# Altium PCB PCB_drone.PcbDoc (part 1 of 2) (continued)
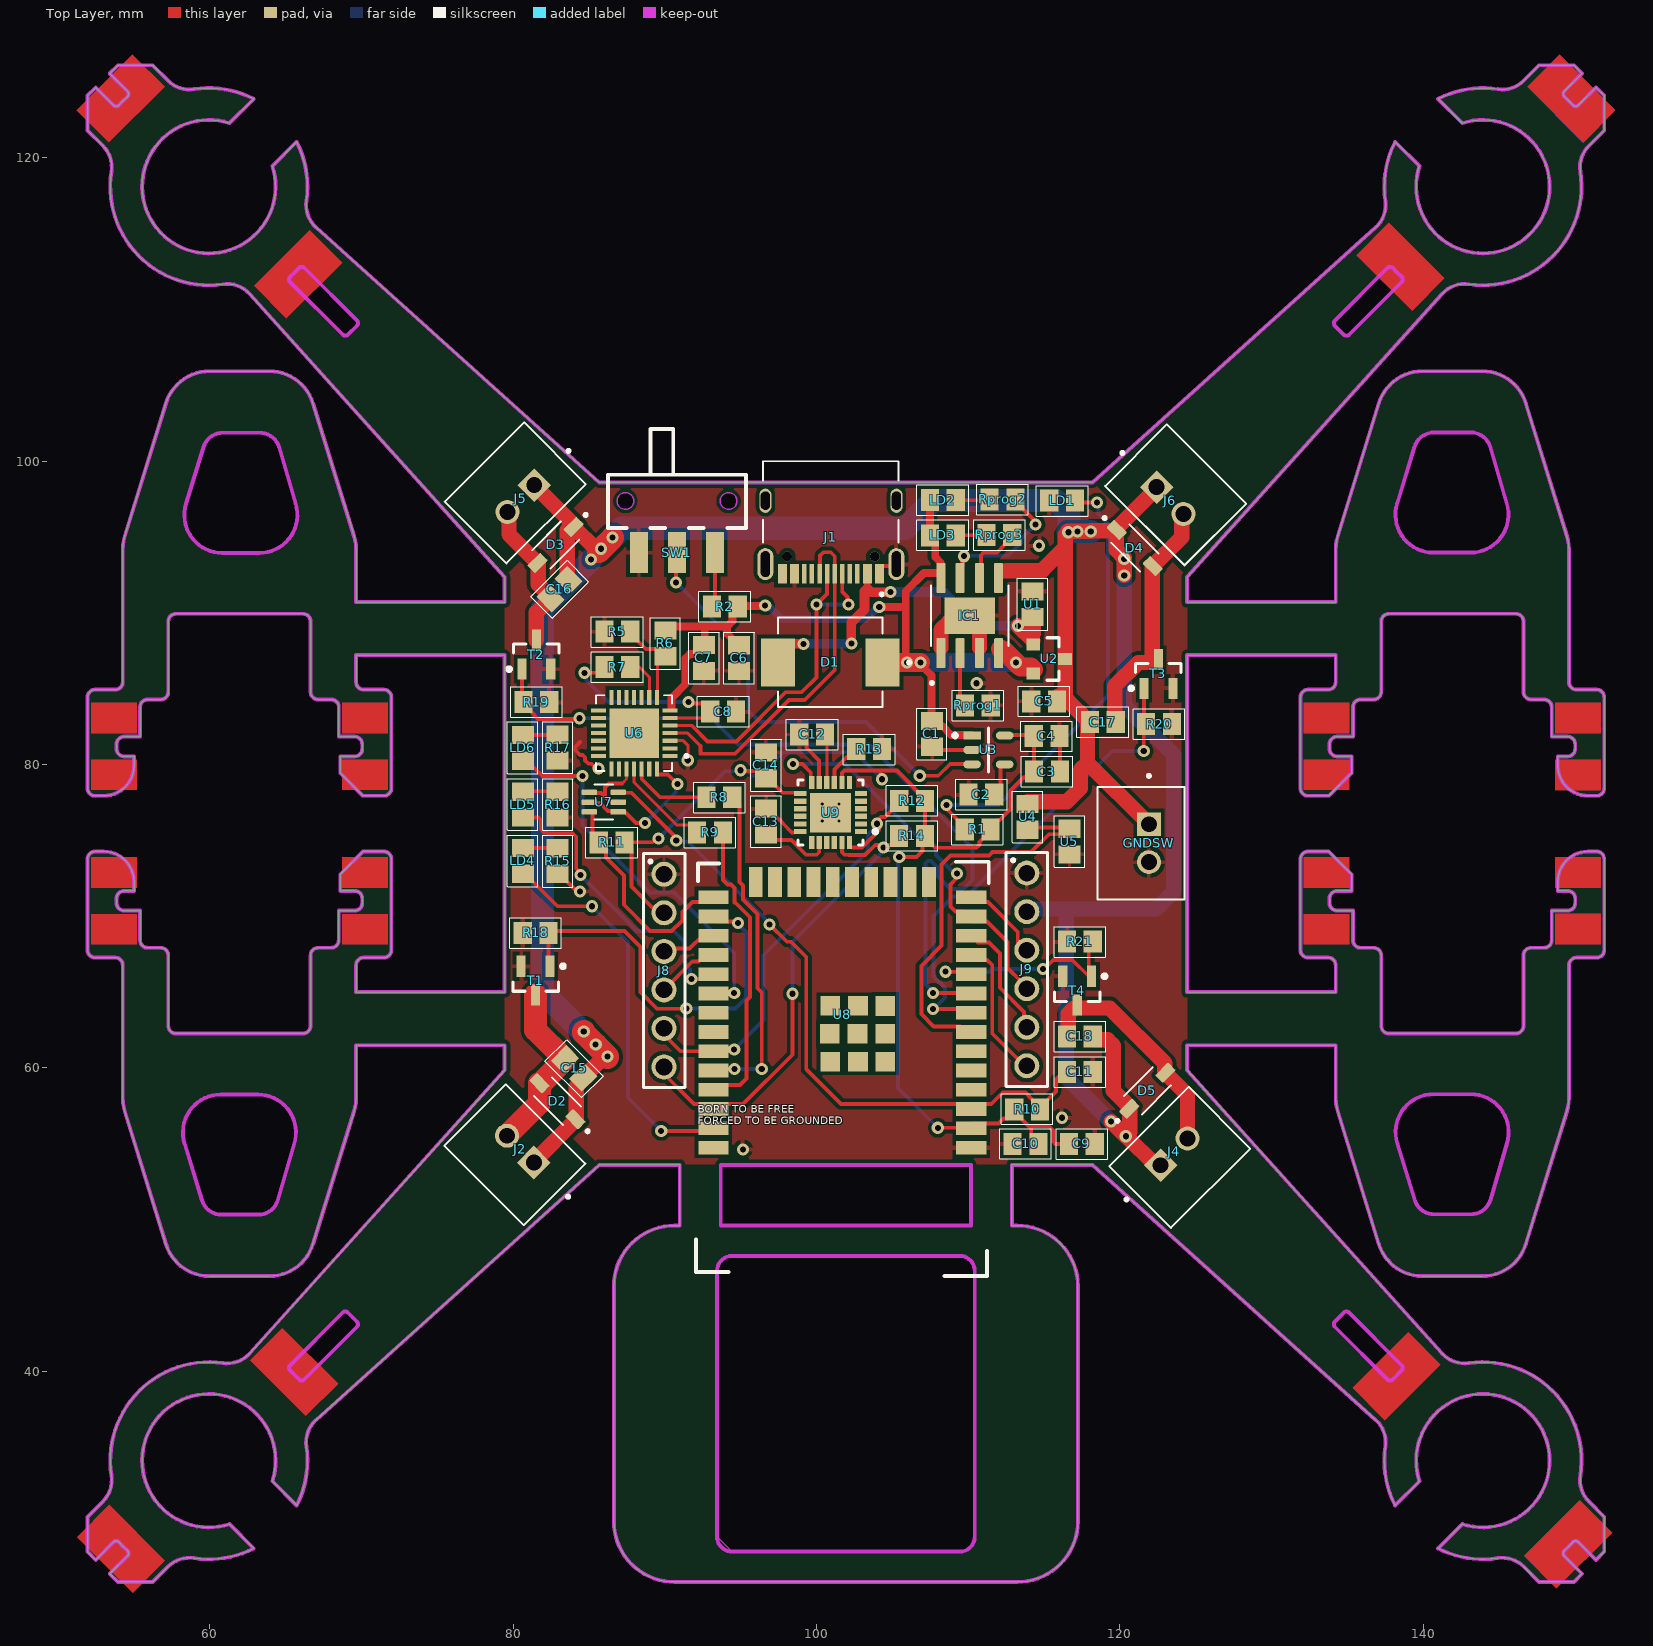
[diagram p0: Top Layer view]
## Footprints (in the part's own frame and the unit in brackets; to place one, negate y for a bottom-side part, rotate by r counter-clockwise, add the part's x,y. Pads: shape width x height; smd on the part's side, far side on the other; paste and mask are expansions set on the pad) (continued)
  rect 3.25x3.25 smd paste-0.597 mask+0.102: 29(0,0)
  silkscreen extent -3.55,-2.5 2.5,2.5, body extent -2.5,-2.5 2.5,2.5, height 0.8
res0805ph [mm] "Chip Resistor, 2-Leads, Body 2.00x1.25mm, IPC Medium Density"
  rect 1.2x1.45 smd: 1(-0.85,0) 2(0.85,0)
  silkscreen extent -1.7,-1.02 1.7,0.99, body extent -1.1,-0.72 1.1,0.72, height 0.6
SHENZHEN-CHUANGQIN-TECHNOLOGY_CQ-USB-C16PSMT01 [mm]
  rect 0.6x1.3 smd: A1(-3.2,0) A4(-2.4,0) A12(3.2,0) B4(2.4,0)
  rect 0.3x1.3 smd: A5(-1.25,0) A6(-0.25,0) A7(0.25,0) A8(1.25,0) B5(1.75,0) B6(0.75,0) B7(-0.75,0) B8(-1.75,0)
  oval 1.05x2.1 hole 0.6 slot 1.7 at 90 deg: S1(-4.32,-0.64) S2(4.32,-0.64)
  oval 0.8x1.6 hole 0.6 slot 1.2 at 90 deg: S3(-4.32,-4.82) S4(4.32,-4.82)
  round 0.65 hole 0.65 unplated: ""(-2.89,-1.14) ""(2.89,-1.14)
  silkscreen extent -4.47,-7.42 4.47,1.45
SOD3715X135N [mm]
  rrect18% 1.21x0.73 smd paste+0 mask+0.102: 1(-1.68,0) 2(1.68,0)
  silkscreen extent -2.9,-0.85 1.35,0.85
SOP127P600X175-9N [mm]
  rrect25% 1.97x0.6 smd: 1(-2.475,1.905) 2(-2.475,0.635) 3(-2.475,-0.635) 4(-2.475,-1.905) 5(2.475,-1.905) 6(2.475,-0.635) 7(2.475,0.635) 8(2.475,1.905)
  rect 2.413x3.302 smd paste-3: 9(0,0)
  silkscreen extent -4.54,-2.55 2,2.6, body extent -3,-2.45 3,2.45, height 1.75
SOT23-3 [mm]
  rect 0.9x0.8 smd: 1(1,-0.95) 2(1,0.95) 3(-1.1,0)
  silkscreen extent -0.7,-1.4 0.1,1.4, body extent -1.4,-1.45 1.4,1.45, height 1.25
SOT65P210X110-6N [mm]
  rrect25% 1x0.36 smd paste+0 mask+0.102: 1(-0.955,0.65) 2(-0.955,0) 3(-0.955,-0.65) 4(0.955,-0.65) 5(0.955,0) 6(0.955,0.65)
  silkscreen extent -0.62,-1.15 0.63,1.15
SW-SMD_K3-1280S-K1 [mm]
  rect 2.7x1.2 smd: 1(0,2.5) 2(0,0) 3(0,-2.5)
  Keep-Out Layer board cut-out: 3.956,3.4 3.902,3.161 3.749,2.97 3.529,2.864 3.284,2.864 3.063,2.97 2.911,3.161 2.856,3.4 2.856,3.4 2.911,3.639 3.063,3.83 3.284,3.936 3.529,3.936 3.749,3.83 3.902,3.639 3.956,3.4
  Keep-Out Layer board cut-out: 3.956,-3.4 3.902,-3.639 3.749,-3.83 3.529,-3.936 3.284,-3.936 3.063,-3.83 2.911,-3.639 2.856,-3.4 2.856,-3.4 2.911,-3.161 3.063,-2.97 3.284,-2.864 3.529,-2.864 3.749,-2.97 3.902,-3.161 3.956,-3.4
  Keep-Out Layer circle w0.025: c3.406,3.4 r0.55
  Keep-Out Layer circle w0.025: c3.406,-3.4 r0.55
  Keep-Out Layer region: 3.956,3.4 3.902,3.161 3.749,2.97 3.529,2.864 3.284,2.864 3.063,2.97 2.911,3.161 2.856,3.4 2.856,3.4 2.911,3.639 3.063,3.83 3.284,3.936 3.529,3.936 3.749,3.83 3.902,3.639 3.956,3.4
  Keep-Out Layer region: 3.956,-3.4 3.902,-3.639 3.749,-3.83 3.529,-3.936 3.284,-3.936 3.063,-3.83 2.911,-3.639 2.856,-3.4 2.856,-3.4 2.911,-3.161 3.063,-2.97 3.284,-2.864 3.529,-2.864 3.749,-2.97 3.902,-3.161 3.956,-3.4
  silkscreen extent 1.63,-4.55 8.15,4.55

## Part data
C1 C2 C6 C7 C8 C9 C10 C11 C12 C13 C14 C15 C16 C17 C18: library part "CER Capacitor_1", Capacitance=10uF, Case Code (Imperial)=0805, Case Code (Metric)=2012, Dielectric=X6S, Max Operating Temperature=105°C, Min Operating Temperature=-55°C, Tolerance=20%, Voltage Rating=35V, Case/Package=0805, Length=0.079inch, Mount="Surface Mount", Packaging="Tape and Reel", Thickness=0.057inch, Voltage Rating (DC)=35V, Width=0.049inch
C3: library part Elco+tantaal_1, "47uF 6.3V  ±20% 1.1Ω 2917  SMD Tantalum Capacitor", Capacitance=47uF, Case/Package=2917, ESR (Equivalent Series Resistance)=1.1R, Max Operating Temperature=125°C, Min Operating Temperature=-55°C, Package Quantity=500, Tolerance=20%, Voltage Rating=6.3V, Depth=4.3mm, Dissipation Factor=6%, Features="General Purpose", Height - Seated (Max)=0.122inch, Lead Free="Lead Free", Length=0.287inch, Mount="Surface Mount", Packaging="Tape and Reel", Polarity=Polar, RoHS Compliant=Yes, Series=TAJ, Voltage Rating (DC)=6.3V, Width=0.169inch
C4 C5: library part "CER Capacitor_1", Case Code (Imperial)=0805, Case Code (Metric)=2012, Dielectric=X6S, Max Operating Temperature=105°C, Min Operating Temperature=-55°C, Tolerance=20%, Voltage Rating=35V, Capacitance=10uF, Case/Package=0805, Length=0.079inch, Mount="Surface Mount", Packaging="Tape and Reel", Thickness=0.057inch, Voltage Rating (DC)=35V, Width=0.049inch
D2 D3 D4 D5: library part 1N4148W, "Diode", Case Code (Imperial)=0603, Case Code (Metric)=1608, Color=Green, Forward Current=20mA, Forward Voltage=3.3V, Lens Color=Colorless, Max Operating Temperature=85°C, Min Operating Temperature=-40°C, Package Quantity=1, Case/Package=0603, Dominant Wavelength=525nm, Height=0.75mm, Illumination Color=Green, Lead Free="Lead Free", Length=1.6mm, Lens Transparency=Clear, Luminous Intensity=350mcd, Mount="Surface Mount", Packaging="Tape and Reel", Test Current=20mA, Viewing Angle=120°, Width=0.8mm
GNDSW: library part "Connector 1x2_1", "CONN HEADER VERT 2POS 2MM", Housing Color=Black, Max Current Rating=3.9A, Max Operating Temperature=125°C, Max Voltage Rating (AC)=500V, Min Operating Temperature=-55°C, Contact Material=Bronze, Contact Plating=Gold, Depth=1.97mm, Gender=Male, Housing Material=Polymer, Lead Free="Lead Free", Length=4mm, Number of Contacts=2, Number of Rows=1, Orientation=Straight, Packaging=Bulk, Pitch=2mm, Radiation Hardening=No, REACH SVHC="No SVHC", RoHS Compliant=Yes, Termination=Solder
J2 J4 J5 J6: library part "Connector 1x2", "CONN HEADER VERT 2POS 2MM", Housing Color=Black, Max Current Rating=3.9A, Max Operating Temperature=125°C, Max Voltage Rating (AC)=500V, Min Operating Temperature=-55°C, Contact Material=Bronze, Contact Plating=Gold, Depth=1.97mm, Gender=Male, Housing Material=Polymer, Lead Free="Lead Free", Length=4mm, Number of Contacts=2, Number of Rows=1, Orientation=Straight, Packaging=Bulk, Pitch=2mm, Radiation Hardening=No, REACH SVHC="No SVHC", RoHS Compliant=Yes, Termination=Solder
J8 J9: library part "Connector 1x6_1", "SQ Post Socket, Through-hole, Right Angle, -55 to 105 degC, 2.54mm Pitch, 6-Pin, Female, RoHS", Manufacturer=Samtec, Temperature Range="-55 to 105 degC", ComponentLink1Description="Manufacturer URL", ComponentLink1URL=http://www.samtec.com, ComponentLink2Description=Datasheet, ComponentLink2URL=http://www.samtec.com/documents/webfiles/pdf/SSW_TH.PDF, ComponentLink3Description="Package Specification", ComponentLink3URL=http://www.samtec.com/documents/webfiles/cpdf/SSW-1XX-XX-XXX-X-XX-XXX-XX-MKT.pdf, DatasheetVersion=F-214, Mounting Technology=Through-hole, Orientation="Right Angle", PackageDescription="Assembly, Socket Strip .016 X .031 Tail", PackageReference=SSW-106-02-X-S-RA, PackageVersion="CA, 6/1987", PartNumber=SSW-106-02-T-S-RA, Pitch="2.54 mm", RoHS=True
LD1 LD2 LD3: library part LED_1, "LED GREEN CLEAR CHIP SMD", Case Code (Imperial)=0603, Case Code (Metric)=1608, Color=Green, Forward Current=20mA, Forward Voltage=3.3V, Lens Color=Colorless, Max Operating Temperature=85°C, Min Operating Temperature=-40°C, Package Quantity=1, Case/Package=0603, Dominant Wavelength=525nm, Height=0.75mm, Illumination Color=Green, Lead Free="Lead Free", Length=1.6mm, Lens Transparency=Clear, Luminous Intensity=350mcd, Mount="Surface Mount", Packaging="Tape and Reel", Test Current=20mA, Viewing Angle=120°, Width=0.8mm
LD4 LD5 LD6: library part LED, "LED GREEN CLEAR CHIP SMD", Case Code (Imperial)=0603, Case Code (Metric)=1608, Color=Green, Forward Current=20mA, Forward Voltage=3.3V, Lens Color=Colorless, Max Operating Temperature=85°C, Min Operating Temperature=-40°C, Package Quantity=1, Case/Package=0603, Dominant Wavelength=525nm, Height=0.75mm, Illumination Color=Green, Lead Free="Lead Free", Length=1.6mm, Lens Transparency=Clear, Luminous Intensity=350mcd, Mount="Surface Mount", Packaging="Tape and Reel", Test Current=20mA, Viewing Angle=120°, Width=0.8mm
R1 R2 Rprog1 Rprog2 Rprog3 U1 U4 U5: library part Weerstand_1, "RES SMD 5.9K OHM 1% 1/4W 1206", Manufacturer=Yageo, Manufacturer Part Number=AC1206FR-075K9L, Package=AC1206, Power Rating=0.25W, Resistance=5.9KΩ, Temperature="-55°C to +155°C", Temperature Range High=+155°C, Temperature Range Low=-55°C, Tolerance=0.01, Voltage Rating=200V, Automotive=Yes, Automotive Grade="Grade 0", Category=Res, ComponentLink2Description=Datasheet, ComponentLink2URL=http://www.yageo.com/NewPortal/yageodocoutput?fileName=/pdf/R-Chip/PYu-AC_51_RoHS_L_6.pdf, Composition="Thick Film", Device Class L1="Passive Components", Device Class L2=Resistors, Device Class L3="Chip SMD Resistors", Digikey Description="RES SMD 5.9K OHM 1% 1/4W 1206", Footprint Url=http://www.yageo.com/exep/pages/download/literatures/PYu-R_Mount_10.pdf, Height=0.65mm, Ipc Land Pattern Name=RESC310160X55, Lead Free=Yes, Mouser Description="Thick Film Resistors - SMD 1/4W 5.9ohm 1% AEC-Q200", Octopart=https://octopart.com/ac1206fr-075k9l-yageo-30511161, RoHS=TRUE, Series=AC
R5 R6 R7 R8 R9 R10 R11 R12 R13 R14 R15 R16 R17 R18 R19 R20 R21: library part Weerstand, "RES SMD 5.9K OHM 1% 1/4W 1206", Manufacturer=Yageo, Manufacturer Part Number=AC1206FR-075K9L, Package=AC1206, Power Rating=0.25W, Resistance=5.9KΩ, Temperature="-55°C to +155°C", Temperature Range High=+155°C, Temperature Range Low=-55°C, Tolerance=0.01, Voltage Rating=200V, Automotive=Yes, Automotive Grade="Grade 0", Category=Res, ComponentLink2Description=Datasheet, ComponentLink2URL=http://www.yageo.com/NewPortal/yageodocoutput?fileName=/pdf/R-Chip/PYu-AC_51_RoHS_L_6.pdf, Composition="Thick Film", Device Class L1="Passive Components", Device Class L2=Resistors, Device Class L3="Chip SMD Resistors", Digikey Description="RES SMD 5.9K OHM 1% 1/4W 1206", Footprint Url=http://www.yageo.com/exep/pages/download/literatures/PYu-R_Mount_10.pdf, Height=0.65mm, Ipc Land Pattern Name=RESC310160X55, Lead Free=Yes, Mouser Description="Thick Film Resistors - SMD 1/4W 5.9ohm 1% AEC-Q200", Octopart=https://octopart.com/ac1206fr-075k9l-yageo-30511161, RoHS=TRUE, Series=AC
SW1: library part Switch
T1 T2 T3 T4: library part SI2302DS-T1
U2: library part Transistor

## Via types
v1: diameter 0.8, hole 0.4, Top Layer to Bottom Layer, tented both sides, 68 vias
v2: diameter 0.5, hole 0.2, Top Layer to Bottom Layer, 4 vias
v3: diameter 0.8, hole 0.4, Top Layer to Bottom Layer, 2 vias

## Nets (pads, with @x,y where several pads share a name; then routed paths per layer and width w, separated by ;. In a path a pad name is that pad's centre, name@x,y a point inside that pad or via, vN(x,y) a via of type N, cw(c..) or ccw(c..) an arc to the next point about the centre after c; other vN are vias at no path point)
+3.3: C3.2 C4.1 C9.1 C10.1 C14.1 J8.2 R1.2 R10.2 R11.2 R12.1 R14.1 U3.5 U8.2 U9.8 U9.13 | length 89.2
  Top Layer w0.254: R11.2@87.427,75.082 87.625,74.884 89.19,74.884 89.388,75.082 v1@89.473,75.082 ; R11.2@87.808,74.418 87.808,71.958 J8.2@89.535,70.231 ; v1@89.45,75.059 v1@89.473,75.082 ; v1@89.462,75.009 89.536,75.082 v1@89.473,75.082 ; v1@89.524,75.133 v1@89.473,75.082 ; v1(94.996,79.629) 95.043,79.582 96.199,79.582 C14.1@96.672,79.109 ; C14.1@96.469,79.307 96.6,79.307 97.758,78.149 U9.13@99.202,78.149 ; U9.8@101.683,78.818 101.683,79.457 101.85,79.624 102.35,79.624 102.965,79.624 104.135,79.624 ; v1(104.312,79.04) 104.208,79.144 104.208,79.552 104.135,79.624 ; v1(105.461,73.905) 106.594,73.905 106.985,74.295 106.985,75.136 R14.1@107.149,75.3 107.155,75.306 R12.1@107.155,77.611 107.155,77.736 106.436,78.455 106.436,78.494 105.306,79.624 104.135,79.624 ; R14.1@107.149,75.175 107.622,74.702 107.8,74.524 110.563,74.524 110.754,74.714 110.754,74.895 111.473,75.614 111.473,75.864 111.946,76.337 112.071,76.337 112.801,77.067 112.801,78.303 113.655,79.158 113.739,79.158 C3.2@114.212,79.631 ; v1(108.001,56.058) 109.938,56.058 109.973,56.023 110.296,56.346 112.004,56.346 112.338,56.68 112.567,56.68 113.02,57.132 113.02,57.173 113.513,56.68 113.513,56.641 113.982,56.172 ; U3.5@112.387,81.952 114.238,81.952 114.246,81.96 114.345,82.059 C3.2@114.345,79.646 ; C10.1@114.636,54.992 114.163,55.465 114.163,55.991 113.982,56.172 ; C9.1@116.65,54.991 115.765,54.991 115.617,55.14 115.617,55.875 115.32,56.172 113.982,56.172
  Bottom Layer w0.254: v1(89.575,75.133) 94.012,79.57 94.937,79.57 v1(94.996,79.629) 95.1,79.525 95.502,79.525 95.759,79.267 96.261,79.267 97.81,80.816 102.535,80.816 v1(104.312,79.04) ; v1(105.461,73.905) 105.37,73.814 105.37,58.689 v1(108.001,56.058)
+5: D1.A J1.A4 U1.2 U2.1 | length 23.8
  Top Layer w0.45: 103.353,91.625 J1.A4@103.353,92.251
  Top Layer w0.635: D1.A@97.454,86.741 97.454,87.153 98.261,87.96 v1(99.158,87.96) ; v1(102.303,87.986) 102.303,89.374 103.169,90.24 103.169,91.44 103.353,91.625 103.616,91.362 104.847,91.362 v1(104.872,91.386)
  Top Layer w1: v1(113.284,89.154) U2.1@114.264,88.174 ; 114.3,88.641 U1.2@114.3,89.764
  Bottom Layer w0.635: v1@99.111,87.96 99.123,87.973 102.29,87.973 v1(102.303,87.986) ; v1(104.872,91.386) 108.384,91.386 110.615,89.154 v1(113.284,89.154)
+BATT: C5.1 C15.2 C16.2 C17.2 C18.2 D2.1 D3.1 D4.1 D5.1 GNDSW.1 IC1.5 J2.1 J4.1 J5.1 J6.1 J9.2 U2.3 U4.1 | length 195.2
  Top Layer w0.5: IC1.5@112.014,92.289 IC1.5@112.014,92.305 112.014,92.558 IC1.5@112.222,92.766
  Top Layer w1.016: J2.1@81.367,53.767 81.367,53.819 84.119,56.571 D2.1@84.119,56.622 84.151,56.655 84.151,58.765 84.589,59.203 C15.2@84.589,59.333 ; J5.1@81.392,98.43 83.959,95.862 83.571,95.474 83.571,92.256 C16.2@83.659,92.168 ; D3.1@83.992,95.676 85.385,94.283 85.753,94.283 v1(85.801,94.234) ; C15.2@84.624,59.368 85.961,60.705 v1@86.234,60.705 ; IC1.5@112.222,92.766 112.491,92.766 112.513,92.788 114.879,92.788 116.332,94.242 ; U4.1@113.919,77.558 116.522,77.558 117.412,78.449 117.412,79.665 117.87,80.123 ; C5.1@115.862,84.455 115.93,84.523 116.4,84.523 116.4,95.119 v1(116.605,95.324) ; 116.561,84.238 117.87,82.929 117.87,80.123 ; v1@116.571,95.377 v1(117.221,95.377) ; v1@117.225,95.381 118.08,95.381 v1(118.085,95.377) ; v1@118.085,95.381 118.138,95.434 D4.1@119.628,95.434 ; C18.2@118.22,62.077 118.22,61.952 118.312,61.86 119.204,61.86 119.582,61.482 119.582,58.494 120.63,57.445 D5.1@120.631,57.308 120.663,57.276 120.663,55.766 v1@120.421,55.524 ; v1(119.431,56.464) 120.371,55.524 v1@120.421,55.524 ; v1(120.294,92.481) v1(120.294,93.574) 120.294,93.642 119.766,94.171 119.766,95.434 D4.1@119.798,95.467 119.798,95.567 122.428,98.197 J6.1@122.428,98.298 ; v1(120.396,55.499) v1@120.421,55.524 ; GNDSW.1@121.92,76.073 117.87,80.123 ; J4.1@122.697,53.589 122.356,53.589 v1@120.421,55.524
  Top Layer w1.524: v1(84.658,62.408) 84.658,62.332 v1(85.446,61.544) v1(86.234,60.756) v1@86.234,60.705 ; v1@85.643,94.05 v1(86.563,94.971)
  Bottom Layer w1.016: J9.2@113.538,70.485 116.459,70.485 ; v1(119.431,56.464) 119.405,56.464 116.459,59.411 116.459,70.485 ; v1(120.294,92.481) 120.294,83.914 123.552,80.656 123.552,71.628 122.409,70.485 116.459,70.485
  Bottom Layer w1.524: v1@84.595,62.344 81.94,64.999 81.94,90.322 v1(85.141,93.523) ; v1@85.827,94.234 v1(86.563,94.971) 87.18,95.587 105.86,95.587 107.701,97.428 115.776,97.428 116.656,96.548 116.656,95.405 v1@116.684,95.377 ; v1(116.605,95.324) 116.63,95.324 v1@116.684,95.377 ; v1(118.085,95.377) v1(117.221,95.377) v1@116.684,95.377
DTR: U6.28 U7.2 U7.4 | length 9.7
  Top Layer w0.254: U7.2@85.024,77.531 85.077,77.478 85.726,77.478 86.258,76.947 86.934,76.947 87.309,76.947 88.103,76.152 88.694,76.152 v1(88.697,76.149) ; U6.28@89.478,79.718 89.486,79.71 89.486,79.35 90.195,79.35 v1(90.83,78.715)
  Bottom Layer w0.254: v1(88.697,76.149) 90.726,78.178 90.726,78.61 v1(90.83,78.715)
EN: C11.1 R10.1 U7.6 U8.3 | length 44.8
  Top Layer w0.245: U7.6@86.934,78.181 86.972,78.143 87.801,78.143 90.648,75.296 90.648,75.112 v1(90.754,75.006) ; v1(96.901,69.469) 98.038,68.332 98.305,68.332 99.336,67.301 99.336,59.91 101.625,57.621 109.973,57.621 110.137,57.457 110.3,57.621 111.526,57.621 112.284,58.379 113.796,58.379 114.017,58.158 114.017,58.126 R10.1@114.74,57.403 ; R10.1@114.74,57.278 R10.1@114.74,57.403 ; C11.1@116.266,59.741 115.789,59.263 115.789,58.451 R10.1@114.74,57.403
  Bottom Layer w0.245: v1(90.754,75.006) 90.836,74.925 91.522,74.925 96.901,69.545 v1(96.901,69.469)
GND: C1.2 C2.2 C3.1 C4.2 C5.2 C6.1 C7.1 C8.1 C9.2 C10.2 C11.2 C12.1 C13.2 C14.2 GNDSW.2 IC1.1 IC1.3 IC1.9 J1.A1 J1.B4 J1.S1 J8.1 J9.1 LD1.1 R5.1 R13.2 R15.1 R16.1 R17.1 R18.1 R19.1 R20.1 R21.1 Rprog1.2 SW1.1 T1.2 T2.2 T3.2 T4.2 U1.1 U3.2 U5.2 U6.3 U8.1 U9.1 U9.11 U9.18 | length 25.1
  Top Layer w0.2: U6.3@90.338,81.578 91.204,81.578 ; 91.211,81.585 91.516,81.28 v1(91.516,80.289)
  Top Layer w0.254: R15.1@82.931,72.785 83.056,72.785 84.102,71.739 84.306,71.739 v1(84.411,71.635) ; 84.404,81.483 84.097,81.176 84.097,80.965 84.417,80.645 84.587,80.645 84.742,80.49 84.742,80.285 84.965,80.062 85.17,80.062 85.476,79.756 v1(85.623,79.756) ; C13.2@96.672,77.101 96.797,77.101 97.516,76.382 97.555,76.382 97.778,76.159 97.778,76.134 98.375,75.537 98.501,75.537 ; C12.1@98.87,82.347 99.343,81.874 99.343,81.115 100.175,80.283 U9.11@100.175,78.818 ; J1.A1@104.153,92.583 104.153,92.933 104.326,93.106 105.156,93.106 J1.S1@105.273,93.223 ; C1.2@107.614,81.176 107.82,80.97 U3.2@110.262,80.97 ; C10.2@112.89,54.942 112.89,54.947 C10.2@112.936,54.992 ; C4.2@116.021,81.884 116.05,81.855 C3.1@116.05,79.548
  Top Layer w1: IC1.1@108.204,87.685 108.204,88.9 IC1.9@108.757,89.453 ; IC1.9@110.109,90.16 110.744,89.525 IC1.3@110.744,87.685
  other v1: 95.148,54.635 116.18,56.718 110.566,85.369 114.681,94.437
IO0: R11.1 U7.3 U8.25 | length 14.6
  Top Layer w0.254: U7.3@85.024,76.881 85.177,76.881 85.23,76.828 R11.1@85.23,74.93 ; R11.1@85.651,74.879 86.124,74.406 86.124,73.872 87.3,72.696 87.3,70.761 89.035,69.025 90.451,69.025 91.158,69.731 91.158,70.277 91.231,70.35 91.821,70.94 92.65,70.94 U8.25@92.973,71.263
LDO_ENABLE: SW1.2 U3.3 | length 29.3
  Top Layer w0.254: v1(90.751,92.001) 90.751,93.926 SW1.2@90.805,93.98 ; v1(106.813,79.265) 108.035,79.265 108.822,80.052 U3.3@110.236,80.052
  Bottom Layer w0.254: v1(90.751,92.001) 95.504,87.248 95.504,83.566 96.266,82.804 103.274,82.804 v1@106.849,79.229
NetC2_1: C2.1 U3.4 | length 2.2
  Top Layer w0.254: C2.1@111.854,78.056 112.141,78.343 112.141,79.939 U3.4@112.253,80.052
NetC8_2: C8.2 R7.2 U6.6 | length 13.8
  Top Layer w0.2: U6.6@90.338,83.078 C8.2@92.657,83.078
  Top Layer w0.254: v1(84.709,86.055) 85.637,86.055 R7.2@86.018,86.436 ; v1(91.567,84.125) 91.655,84.037 92.53,84.037 92.901,83.666 C8.2@92.901,83.335 ; C8.2@92.657,83.078 92.764,83.185 C8.2@92.764,83.31
  Bottom Layer w0.254: v1(84.709,86.055) 84.813,85.951 84.813,85.594 86.282,84.125 v1(91.567,84.125)
NetC12_2: C12.2 U9.10 | length 3.3
  Top Layer w0.2: U9.10@100.683,78.818 C12.2@100.683,82.144
NetC13_1: C13.1 U9.20 | length 5.1
  Top Layer w0.254: C13.1@96.469,75.599 97.039,75.029 98.343,75.029 99.31,74.062 100.016,74.062 100.183,74.229 U9.20@100.183,74.868
NetC15_1: C15.1 D2.2 J2.2 T1.3 | length 11.7
  Top Layer w1.5: J2.2@79.599,55.535 79.599,55.542 81.743,57.686 D2.2@81.743,58.998 81.85,58.998 C15.1@83.422,60.57 81.483,62.509 T1.3@81.483,64.811
NetC16_1: C16.1 D3.2 J5.2 T2.3 | length 10
  Top Layer w1.016: J5.2@79.624,96.662 79.731,96.555 79.731,95.185 D3.2@81.616,93.3 81.649,93.268 81.649,91.905 82.426,91.127 C16.1@82.426,90.966 ; T2.3@81.534,88.199 81.534,90.043 C16.1@82.457,90.966
NetC17_1: C17.1 D4.2 J6.2 T3.3 | length 15.8
  Top Layer w1.016: C17.1@119.758,82.804 119.666,82.896 119.666,85.176 121.227,86.737 T3.3@122.339,86.737 ; 122.141,87.318 122.141,93.058 D4.2@122.174,93.091 124.089,95.006 124.089,96.423 J6.2@124.196,96.53
NetC18_1: C18.1 D5.2 J4.2 T4.3 | length 14.9
  Top Layer w1.016: C18.1@116.52,62.077 116.612,62.169 116.612,63.584 T4.3@116.984,63.957 ; T4.3@117.192,63.956 119.33,63.956 122.974,60.313 122.974,59.717 D5.2@123.006,59.684 124.465,58.226 J4.2@124.465,55.357
NetIC1_2: IC1.2 Rprog1.1 | length 3.5
  Top Layer w0.254: IC1.2@109.474,87.768 109.474,84.494 Rprog1.1@109.64,84.328
NetIC1_6: IC1.6 Rprog3.2 | length 4.3
  Top Layer w0.254: IC1.6@110.744,92.289 110.849,92.394 110.849,93.809 111.02,93.98 111.91,93.98 112.196,94.266 112.196,94.304 112.915,95.023 Rprog3.2@112.915,95.148
NetIC1_7: IC1.7 Rprog2.2 | length 9.5
  Top Layer w0.254: IC1.7@109.474,92.289 109.474,92.974 109.624,93.124 109.624,93.64 v1(109.728,93.744) ; Rprog2.2@113.118,97.485 113.118,97.36 114.348,96.13 114.348,95.939 v1(114.452,95.834)
  Bottom Layer w0.254: v1(109.728,93.744) 109.756,93.772 112.64,93.772 113.481,94.613 113.481,94.863 v1(114.452,95.834)
NetJ1_A6: J1.A6 J1.B6 U6.4 | length 23.9
  Top Layer w0.2: U6.4@90.338,82.078 91.506,82.078 92.363,81.22
  Top Layer w0.254: 92.363,81.22 92.363,80.721 94.641,80.721 98.181,84.262 99.23,84.262 101.203,86.235 J1.A6@101.203,92.583 101.203,93.742 100.94,94.005 100.457,94.005 100.234,93.782 100.234,92.614 J1.B6@100.203,92.583
NetJ1_A7: J1.A7 J1.B7 U6.5 | length 23.3
  Top Layer w0.2: U6.5@90.338,82.578 91.801,82.578
  Top Layer w0.254: 91.784,82.561 92.812,81.534 94.735,81.534 97.971,84.77 99.019,84.77 100,85.75 v1(100,90.551) 100.703,91.254 J1.A7@100.703,92.583 ; J1.B7@101.703,92.583 101.703,91.388 101.711,91.388 102.054,91.044 102.054,90.605 v1(102.107,90.552)
  Bottom Layer w0.254: v1(100,90.551) v1@102.106,90.552
NetLD1_2: LD1.2 R1.1 | length 30.8
  Top Layer w0.254: v1(108.585,77.343) 108.689,77.239 108.689,76.98 109.861,75.808 R1.1@109.861,75.201 ; LD1.2@117.055,97.409 117.182,97.282 v3(118.491,97.282)
  Bottom Layer w0.254: v1(108.585,77.343) 112.003,77.343 119.228,84.567 119.228,95.876 118.595,96.508 118.595,97.178 v3(118.491,97.282)
NetLD2_1: LD2.1 Rprog2.1 | length 2.2
  Top Layer w0.254: LD2.1@109.181,97.434 Rprog2.1@111.418,97.434
NetLD3_1: LD3.1 Rprog3.1 | length 2.2
  Top Layer w0.254: LD3.1@109.181,95.123 Rprog3.1@111.418,95.123
NetLD4_1: LD4.1 R15.2 | length 2.3
  Top Layer w0.254: LD4.1@80.679,74.509 R15.2@82.931,74.509
NetLD4_2: LD4.2 U8.37 | length 25.3
  Top Layer w0.254: LD4.2@80.772,72.81 80.772,72.809 82.918,70.663 v3(85.192,70.663) ; v1(89.764,55.855) 92.805,55.855 U8.37@92.973,56.023
  Bottom Layer w0.254: v3(85.192,70.663) 87.579,68.275 87.579,58.039 v1(89.764,55.855)
NetLD5_1: LD5.1 R16.2 | length 2.4
  Top Layer w0.254: LD5.1@80.575,78.251 82.827,78.251 R16.2@82.861,78.217 ; R16.2@82.931,78.218 R16.2@83.056,78.218
NetLD5_2: LD5.2 U8.29 | length 19.5
  Top Layer w0.254: LD5.2@80.772,76.518 81.676,76.518 81.825,76.369 81.825,75.761 82.048,75.537 82.212,75.537 82.272,75.478 83.928,75.478 84.163,75.243 84.163,73.155 84.455,72.863 v1(84.455,72.733) ; v1(91.769,65.864) 92.336,65.864 92.336,65.922 U8.29@92.973,66.183
  Bottom Layer w0.254: v1(84.455,72.733) 88.163,69.025 90.589,69.025 91.262,68.351 91.262,67.038 91.398,66.902 91.398,66.772 91.664,66.505 91.664,65.968 v1(91.769,65.864)
NetLD6_1: LD6.1 R17.2 | length 2.6
  Top Layer w0.254: LD6.1@80.519,81.964 R17.2@82.804,81.964 ; R17.2@82.931,81.978 R17.2@83.156,81.752
NetLD6_2: LD6.2 U8.30 | length 25.2
  Top Layer w0.254: LD6.2@80.772,80.264 81.245,79.791 81.397,79.791 81.929,79.26 v1(84.575,79.26) ; U8.30@92.973,64.913 93.008,64.948 v1(94.577,64.948)
  Bottom Layer w0.254: v1(84.575,79.26) 84.575,76.026 89.035,71.565 90.606,71.565 94.577,67.594 v1(94.577,64.948)
NetR2_2: R2.2 SW1.3 | length 3.6
  Top Layer w0.254: R2.2@93.105,90.424 93.305,90.624 SW1.3@93.305,93.98
NetR5_2: R5.2 R6.2 U6.8 | length 5.6
  Top Layer w0.2: U6.8@89.51,84.438 R6.2@89.51,86.944
  Top Layer w0.254: R5.2@87.718,88.773 87.718,88.648 88.744,87.622 89.57,87.622 R6.2@90.043,87.149
NetR7_1: R7.1 U6.9 | length 2.8
  Top Layer w0.2: R7.1@88.141,86.616 88.978,85.78 88.978,85.283 U6.9@88.978,84.316
  Top Layer w0.254: R7.1@88.141,86.616 R7.1@88.141,86.741
NetR8_1: R8.1 U6.26 | length 5.1
  Top Layer w0.254: U6.26@88.478,79.718 88.478,79.049 89.676,77.851 R8.1@92.368,77.851
NetR9_1: R9.1 U6.25 | length 6.5
  Top Layer w0.2: U6.25@87.97,79.718 87.97,79.057 87.97,78.839 90.772,76.036 R9.1@91.659,76.036
  Top Layer w0.254: R9.1@91.659,76.036 92.132,75.563 R9.1@92.132,75.438
NetR13_1: R13.1 U9.9 | length 2.4
  Top Layer w0.254: U9.9@101.183,78.818 101.183,79.675 102.026,80.518 R13.1@102.235,80.518 ; R13.1@102.528,80.896 R13.1@102.528,81.021
NetR18_2: R18.2 T1.1 U8.26 | length 26.3
  Top Layer w0.254: R18.2@82.333,68.91 82.333,67.287 82.535,67.085 T1.1@82.535,66.685 ; R18.2@82.501,69.025 87.337,69.025 88.395,67.968 88.395,65.002 89.491,63.906 91.389,63.906 v1(91.415,63.932) ; U8.26@93.17,69.993 93.493,69.67 94.561,69.67 94.683,69.548 v1(94.831,69.548)
  Bottom Layer w0.254: v1(91.415,63.932) 94.666,63.932 95.358,64.624 95.358,68.97 94.831,69.498 v1(94.831,69.548)
NetR19_2: R19.2 T2.1 U8.9 | length 53.6
  Top Layer w0.254: T2.1@80.584,86.299 80.584,84.047 80.684,83.947 80.723,83.947 81.403,83.267 81.403,83.228 81.626,83.005 84.326,83.005 v1(84.379,83.058) ; v1(107.696,64.952) 109.934,64.952 U8.9@109.973,64.913
  Bottom Layer w0.254: v1(84.379,83.058) 93.077,83.058 94.81,81.324 103.464,81.324 110.287,74.502 110.287,72.401 109.692,71.806 108.85,71.806 107.954,72.702 107.954,73.243 107.547,73.649 107.337,73.649 107.188,73.5 107.188,65.548 107.696,65.04 v1(107.696,64.952)
NetR20_2: R20.2 T3.1 U8.8 | length 31.6
  Top Layer w0.254: v1(107.696,63.881) 109.614,63.881 U8.8@109.805,63.69 ; v1(121.58,80.899) R20.2@121.58,82.589 ; T3.1@121.597,85.029 121.597,82.696 121.578,82.677 R20.2@121.666,82.589
  Bottom Layer w0.254: v1(107.696,63.881) 107.73,63.881 108.477,64.628 108.477,65.275 108.019,65.733 108.011,65.733 107.719,66.025 107.719,70.011 109.006,71.298 109.902,71.298 119.503,80.899 v1@121.666,80.899
NetR21_2: R21.2 T4.1 U8.10 | length 14.3
  Top Layer w0.254: v1(108.5,66.349) 109.807,66.349 U8.10@109.973,66.183 ; v1(114.935,66.523) 115.005,66.523 115.612,67.13 116.869,67.13 T4.1@117.95,66.049 ; R21.2@117.966,68.326 117.95,68.31 T4.1@117.95,66.049 ; T4.1@118.142,66.049 T4.1@117.95,66.049
  Bottom Layer w0.254: v1(108.5,66.349) 108.529,66.319 111.354,66.319 111.557,66.523 v1(114.935,66.523)
NetU4_2: U4.2 U5.1 U8.7 | length 25.3
  Top Layer w0.254: U8.7@109.805,62.42 109.482,62.743 107.729,62.743 106.915,63.558 106.915,66.729 108.255,68.069 108.255,71.105 108.255,73.421 108.85,74.016 111.395,74.016 111.611,74.231 114.156,74.231 115.337,75.413 116.086,75.413 116.254,75.58 116.254,75.858 U4.2@113.919,75.858
RTS: U6.24 U7.1 U7.5 | length 5.1
  Top Layer w0.2: 87.191,78.763 87.478,79.049 U6.24@87.478,79.718
  Top Layer w0.254: U7.1@85.024,78.181 85.077,78.128 85.795,78.128 86.053,77.87 ; U7.5@86.934,77.531 86.881,77.584 86.339,77.584 86.053,77.87 ; 87.191,78.763 86.323,78.763 86.053,78.493 86.053,77.87